# Altium PCB Minion_Rev2.PcbDoc (part 5 of 11)
Units mil, origin at the board's own origin, x right, y up, seen from the top; angles counter-clockwise.
Board outline 4724.41 x 6929.13 mil, 4 copper layers (L1, L2, L3, L4), stack 62.087 mil thick; 873 components, 147 nets, 5651 pads, 5666 vias.
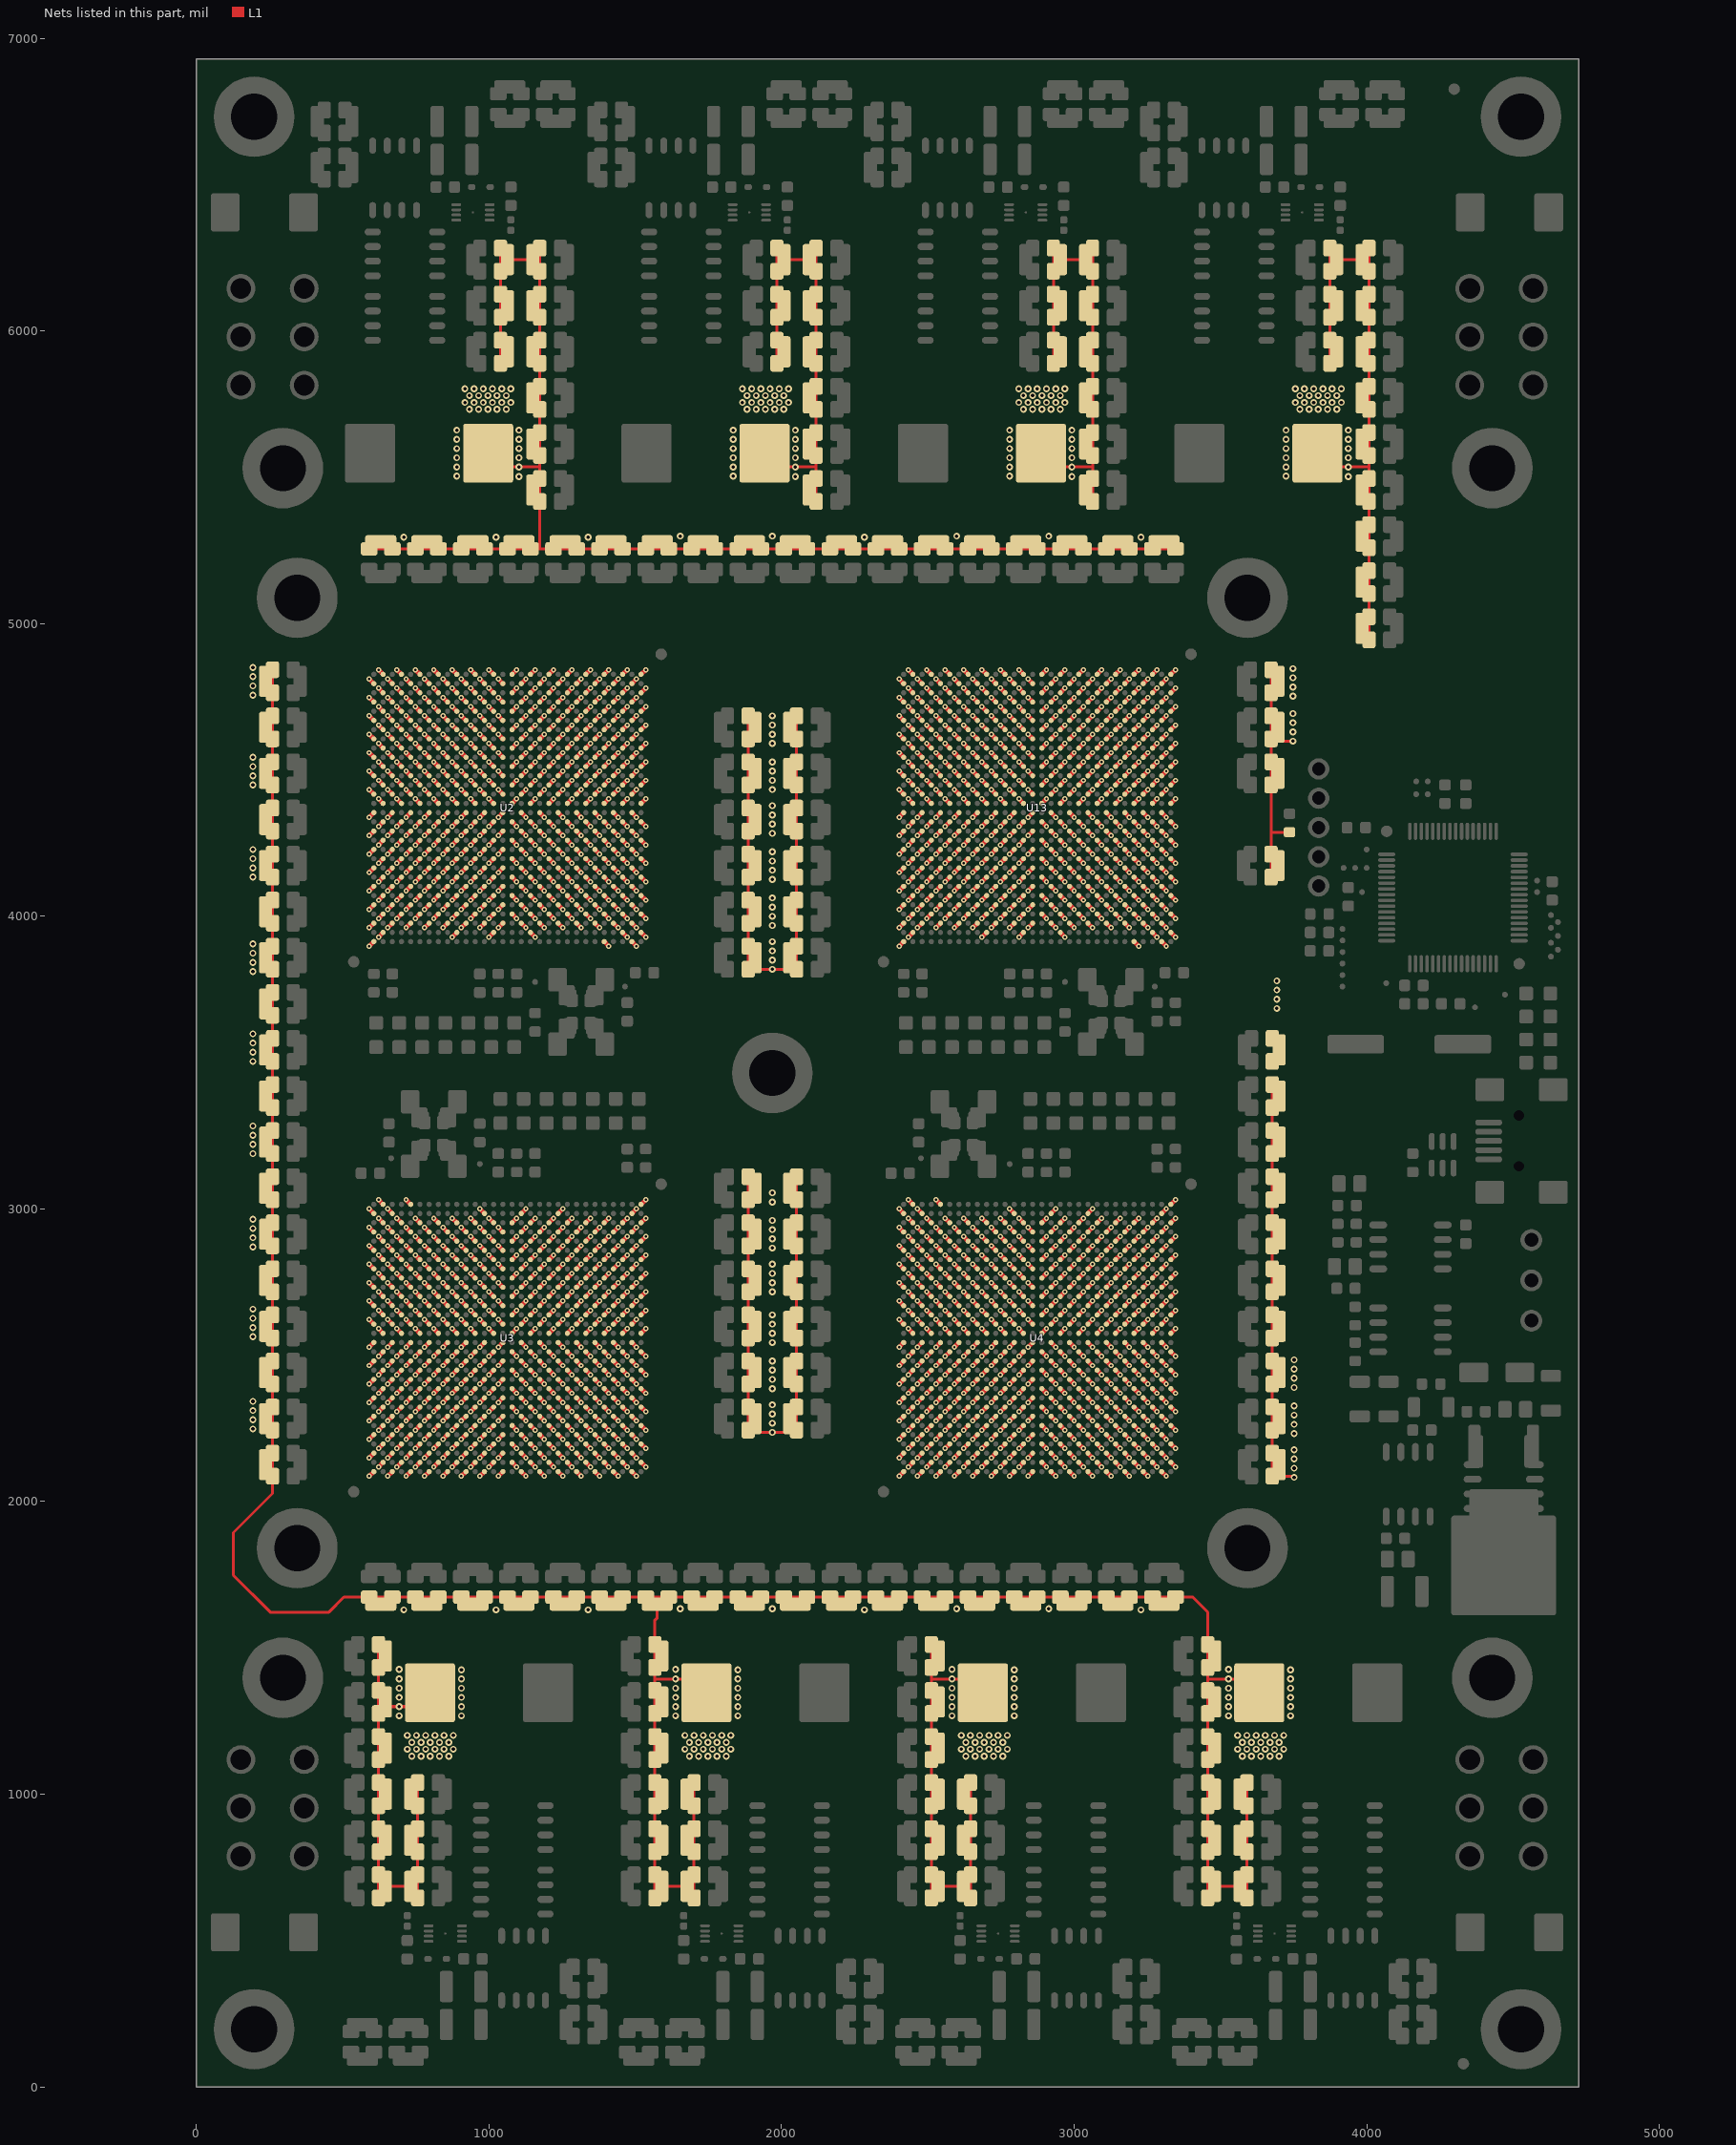
[diagram p7: the nets of this part, all layers, seen from the top]

## Via types
v1: diameter 17.72/17.72/17.72/17.72 (per signal layer), hole 7.87, L1 to L4, 3578 vias
v2: diameter 23.62/23.62/23.62/23.62 (per signal layer), hole 11.81, L1 to L4, 2088 vias

## Nets (pads, with @x,y where several pads share a name; then routed paths per layer and width w, separated by ;. In a path a pad name is that pad's centre, name@x,y a point inside that pad or via, vN(x,y) a via of type N, cw(c..) or ccw(c..) an arc to the next point about the centre after c; other vN are vias at no path point) (continued)
1V: (continued)
  L1 w15.75: v1(590.55,2086.61) U3.A30@606.3,2102.36 ; v1(590.55,2149.61) U3.C30@606.3,2165.35 ; v1(590.55,2212.6) U3.E30@606.3,2228.35 ; v1(590.55,2275.59) U3.G30@606.3,2291.34 ; v1(590.55,2338.58) U3.J30@606.3,2354.33 ; v1(590.55,2401.57) U3.L30@606.3,2417.32 ; v1(590.55,2464.57) U3.N30@606.3,2480.31 ; v1(590.55,2527.56) U3.R30@606.3,2543.31 ; v1(590.55,2622.05) U3.U30@606.3,2606.3 ; v1(590.55,2685.04) U3.W30@606.3,2669.29 ; v1(590.55,2748.03) U3.AA30@606.3,2732.28 ; v1(590.55,2811.02) U3.AC30@606.3,2795.28 ; v1(590.55,2874.02) U3.AE30@606.3,2858.27 ; v1(590.55,2937.01) U3.AG30@606.3,2921.26 ; v1(590.55,3000) U3.AJ30@606.3,2984.25 ; v1(590.55,3897.64) U2.AK1@606.3,3913.39 ; v1(590.55,3960.63) U2.AH1@606.3,3976.38 ; v1(590.55,4023.62) U2.AF1@606.3,4039.37 ; v1(590.55,4086.61) U2.AD1@606.3,4102.36 ; v1(590.55,4149.61) U2.AB1@606.3,4165.35 ; v1(590.55,4212.6) U2.Y1@606.3,4228.35 ; v1(590.55,4275.59) U2.V1@606.3,4291.34 ; v1(590.55,4338.58) U2.T1@606.3,4354.33 ; v1(590.55,4433.07) U2.P1@606.3,4417.32 ; v1(590.55,4496.06) U2.M1@606.3,4480.31 ; v1(590.55,4559.06) U2.K1@606.3,4543.31 ; v1(590.55,4622.05) U2.H1@606.3,4606.3 ; v1(590.55,4685.04) U2.F1@606.3,4669.29 ; v1(590.55,4748.03) U2.D1@606.3,4732.28 ; v1(590.55,4811.02) U2.B1@606.3,4795.28 ; v1(622.05,2118.11) U3.B29@637.8,2133.86 ; v1(622.05,2181.1) U3.D29@637.8,2196.85 ; v1(622.05,2244.09) U3.F29@637.8,2259.84 ; v1(622.05,2307.09) U3.H29@637.8,2322.83 ; v1(622.05,2370.08) U3.K29@637.8,2385.83 ; v1(622.05,2433.07) U3.M29@637.8,2448.82 ; v1(622.05,2496.06) U3.P29@637.8,2511.81 ; v1(622.05,2590.55) U3.T29@637.8,2574.8 ; v1(622.05,2653.54) U3.V29@637.8,2637.8 ; v1(622.05,2716.54) U3.Y29@637.8,2700.79 ; v1(622.05,2779.53) U3.AB29@637.8,2763.78 ; v1(622.05,2842.52) U3.AD29@637.8,2826.77 ; v1(622.05,2905.51) U3.AF29@637.8,2889.76 ; v1(622.05,2968.5) U3.AH29@637.8,2952.76 ; v1(622.05,3031.5) U3.AK29@637.8,3015.75 ; v1(622.05,3929.13) U2.AJ2@637.8,3944.88 ; v1(622.05,3992.13) U2.AG2@637.8,4007.87 ; v1(622.05,4055.12) U2.AE2@637.8,4070.87 ; v1(622.05,4118.11) U2.AC2@637.8,4133.86 ; v1(622.05,4181.1) U2.AA2@637.8,4196.85 ; v1(622.05,4244.09) U2.W2@637.8,4259.84 ; v1(622.05,4307.09) U2.U2@637.8,4322.83 ; v1(622.05,4401.57) U2.R2@637.8,4385.83 ; v1(622.05,4464.57) U2.N2@637.8,4448.82 ; v1(622.05,4527.56) U2.L2@637.8,4511.81 ; v1(622.05,4590.55) U2.J2@637.8,4574.8 ; v1(622.05,4653.54) U2.G2@637.8,4637.8 ; v1(622.05,4716.54) U2.E2@637.8,4700.79 ; v1(622.05,4779.53) U2.C2@637.8,4763.78 ; v1(622.05,4842.52) U2.A2@637.8,4826.77 ; v1(653.54,2086.61) U3.A28@669.29,2102.36 ; v1(653.54,2149.61) U3.C28@669.29,2165.35 ; v1(653.54,2212.6) U3.E28@669.29,2228.35 ; v1(653.54,2275.59) U3.G28@669.29,2291.34 ; v1(653.54,2338.58) U3.J28@669.29,2354.33 ; v1(653.54,2401.57) U3.L28@669.29,2417.32 ; v1(653.54,2464.57) U3.N28@669.29,2480.31 ; v1(653.54,2527.56) U3.R28@669.29,2543.31 ; v1(653.54,2622.05) U3.U28@669.29,2606.3 ; v1(653.54,2685.04) U3.W28@669.29,2669.29 ; v1(653.54,2748.03) U3.AA28@669.29,2732.28 ; v1(653.54,2811.02) U3.AC28@669.29,2795.28 ; v1(653.54,2874.02) U3.AE28@669.29,2858.27 ; v1(653.54,2937.01) U3.AG28@669.29,2921.26 ; v1(653.54,3000) U3.AJ28@669.29,2984.25 ; v1(653.54,3960.63) U2.AH3@669.29,3976.38 ; v1(653.54,4023.62) U2.AF3@669.29,4039.37 ; v1(653.54,4086.61) U2.AD3@669.29,4102.36 ; v1(653.54,4149.61) U2.AB3@669.29,4165.35 ; v1(653.54,4212.6) U2.Y3@669.29,4228.35 ; v1(653.54,4275.59) U2.V3@669.29,4291.34 ; v1(653.54,4338.58) U2.T3@669.29,4354.33 ; v1(653.54,4433.07) U2.P3@669.29,4417.32 ; v1(653.54,4496.06) U2.M3@669.29,4480.31 ; v1(653.54,4559.06) U2.K3@669.29,4543.31 ; v1(653.54,4622.05) U2.H3@669.29,4606.3 ; v1(653.54,4685.04) U2.F3@669.29,4669.29 ; v1(653.54,4748.03) U2.D3@669.29,4732.28 ; v1(653.54,4811.02) U2.B3@669.29,4795.28 ; v1(685.04,2118.11) U3.B27@700.79,2133.86 ; v1(685.04,2181.1) U3.D27@700.79,2196.85 ; v1(685.04,2244.09) U3.F27@700.79,2259.84 ; v1(685.04,2307.09) U3.H27@700.79,2322.83 ; v1(685.04,2370.08) U3.K27@700.79,2385.83 ; v1(685.04,2433.07) U3.M27@700.79,2448.82 ; v1(685.04,2496.06) U3.P27@700.79,2511.81 ; v1(685.04,2590.55) U3.T27@700.79,2574.8 ; v1(685.04,2653.54) U3.V27@700.79,2637.8 ; v1(685.04,2716.54) U3.Y27@700.79,2700.79 ; v1(685.04,2779.53) U3.AB27@700.79,2763.78 ; v1(685.04,2842.52) U3.AD27@700.79,2826.77 ; v1(685.04,2905.51) U3.AF27@700.79,2889.76 ; v1(685.04,2968.5) U3.AH27@700.79,2952.76 ; v1(685.04,3992.13) U2.AG4@700.79,4007.87 ; v1(685.04,4055.12) U2.AE4@700.79,4070.87 ; v1(685.04,4118.11) U2.AC4@700.79,4133.86 ; v1(685.04,4181.1) U2.AA4@700.79,4196.85 ; v1(685.04,4244.09) U2.W4@700.79,4259.84 ; v1(685.04,4307.09) U2.U4@700.79,4322.83 ; v1(685.04,4401.57) U2.R4@700.79,4385.83 ; v1(685.04,4464.57) U2.N4@700.79,4448.82 ; v1(685.04,4527.56) U2.L4@700.79,4511.81 ; v1(685.04,4590.55) U2.J4@700.79,4574.8 ; v1(685.04,4653.54) U2.G4@700.79,4637.8 ; v1(685.04,4716.54) U2.E4@700.79,4700.79 ; v1(685.04,4779.53) U2.C4@700.79,4763.78 ; v1(685.04,4842.52) U2.A4@700.79,4826.77 ; v1(716.54,2086.61) U3.A26@732.28,2102.36 ; v1(716.54,2149.61) U3.C26@732.28,2165.35 ; v1(716.54,2212.6) U3.E26@732.28,2228.35 ; v1(716.54,2275.59) U3.G26@732.28,2291.34 ; v1(716.54,2338.58) U3.J26@732.28,2354.33 ; v1(716.54,2401.57) U3.L26@732.28,2417.32 ; v1(716.54,2464.57) U3.N26@732.28,2480.31 ; v1(716.54,2527.56) U3.R26@732.28,2543.31 ; v1(716.54,2622.05) U3.U26@732.28,2606.3 ; v1(716.54,2685.04) U3.W26@732.28,2669.29 ; v1(716.54,2748.03) U3.AA26@732.28,2732.28 ; v1(716.54,2811.02) U3.AC26@732.28,2795.28 ; v1(716.54,2874.02) U3.AE26@732.28,2858.27 ; v1(716.54,2937.01) U3.AG26@732.28,2921.26 ; v1(716.54,3031.5) U3.AK26@732.28,3015.75 ; v1(716.54,3960.63) U2.AH5@732.28,3976.38 ; v1(716.54,4023.62) U2.AF5@732.28,4039.37 ; v1(716.54,4086.61) U2.AD5@732.28,4102.36 ; v1(716.54,4149.61) U2.AB5@732.28,4165.35 ; v1(716.54,4212.6) U2.Y5@732.28,4228.35 ; v1(716.54,4275.59) U2.V5@732.28,4291.34 ; v1(716.54,4338.58) U2.T5@732.28,4354.33 ; v1(716.54,4433.07) U2.P5@732.28,4417.32 ; v1(716.54,4496.06) U2.M5@732.28,4480.31 ; v1(716.54,4559.06) U2.K5@732.28,4543.31 ; v1(716.54,4622.05) U2.H5@732.28,4606.3 ; v1(716.54,4685.04) U2.F5@732.28,4669.29 ; v1(716.54,4748.03) U2.D5@732.28,4732.28 ; v1(716.54,4811.02) U2.B5@732.28,4795.28 ; v1(748.03,2118.11) U3.B25@763.78,2133.86 ; v1(748.03,2181.1) U3.D25@763.78,2196.85 ; v1(748.03,2244.09) U3.F25@763.78,2259.84 ; v1(748.03,2307.09) U3.H25@763.78,2322.83 ; v1(748.03,2370.08) U3.K25@763.78,2385.83 ; v1(748.03,2433.07) U3.M25@763.78,2448.82 ; v1(748.03,2496.06) U3.P25@763.78,2511.81 ; v1(748.03,2590.55) U3.T25@763.78,2574.8 ; v1(748.03,2653.54) U3.V25@763.78,2637.8 ; v1(748.03,2716.54) U3.Y25@763.78,2700.79 ; v1(748.03,2779.53) U3.AB25@763.78,2763.78 ; v1(748.03,2842.52) U3.AD25@763.78,2826.77 ; v1(748.03,2905.51) U3.AF25@763.78,2889.76 ; v1(748.03,2968.5) U3.AH25@763.78,2952.76 ; v1(748.03,3992.13) U2.AG6@763.78,4007.87 ; v1(748.03,4055.12) U2.AE6@763.78,4070.87 ; v1(748.03,4118.11) U2.AC6@763.78,4133.86 ; v1(748.03,4181.1) U2.AA6@763.78,4196.85 ; v1(748.03,4244.09) U2.W6@763.78,4259.84 ; v1(748.03,4307.09) U2.U6@763.78,4322.83 ; v1(748.03,4401.57) U2.R6@763.78,4385.83 ; v1(748.03,4464.57) U2.N6@763.78,4448.82 ; v1(748.03,4527.56) U2.L6@763.78,4511.81 ; v1(748.03,4590.55) U2.J6@763.78,4574.8 ; v1(748.03,4653.54) U2.G6@763.78,4637.8 ; v1(748.03,4716.54) U2.E6@763.78,4700.79 ; v1(748.03,4779.53) U2.C6@763.78,4763.78 ; v1(748.03,4842.52) U2.A6@763.78,4826.77 ; v1(779.53,2086.61) U3.A24@795.28,2102.36 ; v1(779.53,2149.61) U3.C24@795.28,2165.35 ; v1(779.53,2212.6) U3.E24@795.28,2228.35 ; v1(779.53,2275.59) U3.G24@795.28,2291.34 ; v1(779.53,2338.58) U3.J24@795.28,2354.33 ; v1(779.53,2401.57) U3.L24@795.28,2417.32 ; v1(779.53,2464.57) U3.N24@795.28,2480.31 ; v1(779.53,2527.56) U3.R24@795.28,2543.31 ; v1(779.53,2622.05) U3.U24@795.28,2606.3 ; v1(779.53,2685.04) U3.W24@795.28,2669.29 ; v1(779.53,2748.03) U3.AA24@795.28,2732.28 ; v1(779.53,2811.02) U3.AC24@795.28,2795.28 ; v1(779.53,2874.02) U3.AE24@795.28,2858.27 ; v1(779.53,2937.01) U3.AG24@795.28,2921.26 ; v1(779.53,3960.63) U2.AH7@795.28,3976.38 ; v1(779.53,4023.62) U2.AF7@795.28,4039.37 ; v1(779.53,4086.61) U2.AD7@795.28,4102.36 ; v1(779.53,4149.61) U2.AB7@795.28,4165.35 ; v1(779.53,4212.6) U2.Y7@795.28,4228.35 ; v1(779.53,4275.59) U2.V7@795.28,4291.34 ; v1(779.53,4338.58) U2.T7@795.28,4354.33 ; v1(779.53,4433.07) U2.P7@795.28,4417.32 ; v1(779.53,4496.06) U2.M7@795.28,4480.31 ; v1(779.53,4559.06) U2.K7@795.28,4543.31 ; v1(779.53,4622.05) U2.H7@795.28,4606.3 ; v1(779.53,4685.04) U2.F7@795.28,4669.29 ; v1(779.53,4748.03) U2.D7@795.28,4732.28 ; v1(779.53,4811.02) U2.B7@795.28,4795.28 ; v1(811.02,2118.11) U3.B23@826.77,2133.86 ; v1(811.02,2181.1) U3.D23@826.77,2196.85 ; v1(811.02,2244.09) U3.F23@826.77,2259.84 ; v1(811.02,2307.09) U3.H23@826.77,2322.83 ; v1(811.02,2370.08) U3.K23@826.77,2385.83 ; v1(811.02,2433.07) U3.M23@826.77,2448.82 ; v1(811.02,2496.06) U3.P23@826.77,2511.81 ; v1(811.02,2590.55) U3.T23@826.77,2574.8 ; v1(811.02,2653.54) U3.V23@826.77,2637.8 ; v1(811.02,2716.54) U3.Y23@826.77,2700.79 ; v1(811.02,2779.53) U3.AB23@826.77,2763.78 ; v1(811.02,2842.52) U3.AD23@826.77,2826.77 ; v1(811.02,2905.51) U3.AF23@826.77,2889.76 ; v1(811.02,2968.5) U3.AH23@826.77,2952.76 ; v1(811.02,3992.13) U2.AG8@826.77,4007.87 ; v1(811.02,4055.12) U2.AE8@826.77,4070.87 ; v1(811.02,4118.11) U2.AC8@826.77,4133.86 ; v1(811.02,4181.1) U2.AA8@826.77,4196.85 ; v1(811.02,4244.09) U2.W8@826.77,4259.84 ; v1(811.02,4307.09) U2.U8@826.77,4322.83 ; v1(811.02,4401.57) U2.R8@826.77,4385.83 ; v1(811.02,4464.57) U2.N8@826.77,4448.82 ; v1(811.02,4527.56) U2.L8@826.77,4511.81 ; v1(811.02,4590.55) U2.J8@826.77,4574.8 ; v1(811.02,4653.54) U2.G8@826.77,4637.8 ; v1(811.02,4716.54) U2.E8@826.77,4700.79 ; v1(811.02,4779.53) U2.C8@826.77,4763.78 ; v1(811.02,4842.52) U2.A8@826.77,4826.77 ; v1(842.52,2086.61) U3.A22@858.27,2102.36 ; v1(842.52,2149.61) U3.C22@858.27,2165.35 ; v1(842.52,2212.6) U3.E22@858.27,2228.35 ; v1(842.52,2275.59) U3.G22@858.27,2291.34 ; v1(842.52,2338.58) U3.J22@858.27,2354.33 ; v1(842.52,2401.57) U3.L22@858.27,2417.32 ; v1(842.52,2464.57) U3.N22@858.27,2480.31 ; v1(842.52,2527.56) U3.R22@858.27,2543.31 ; v1(842.52,2622.05) U3.U22@858.27,2606.3 ; v1(842.52,2685.04) U3.W22@858.27,2669.29 ; v1(842.52,2748.03) U3.AA22@858.27,2732.28 ; v1(842.52,2811.02) U3.AC22@858.27,2795.28 ; v1(842.52,2874.02) U3.AE22@858.27,2858.27 ; v1(842.52,2937.01) U3.AG22@858.27,2921.26 ; v1(842.52,3960.63) U2.AH9@858.27,3976.38 ; v1(842.52,4023.62) U2.AF9@858.27,4039.37 ; v1(842.52,4086.61) U2.AD9@858.27,4102.36 ; v1(842.52,4149.61) U2.AB9@858.27,4165.35 ; v1(842.52,4212.6) U2.Y9@858.27,4228.35 ; v1(842.52,4275.59) U2.V9@858.27,4291.34 ; v1(842.52,4338.58) U2.T9@858.27,4354.33 ; v1(842.52,4433.07) U2.P9@858.27,4417.32 ; v1(842.52,4496.06) U2.M9@858.27,4480.31 ; v1(842.52,4559.06) U2.K9@858.27,4543.31 ; v1(842.52,4622.05) U2.H9@858.27,4606.3 ; v1(842.52,4685.04) U2.F9@858.27,4669.29 ; v1(842.52,4748.03) U2.D9@858.27,4732.28 ; v1(842.52,4811.02) U2.B9@858.27,4795.28 ; v1(874.02,2118.11) U3.B21@889.76,2133.86 ; v1(874.02,2181.1) U3.D21@889.76,2196.85 ; v1(874.02,2244.09) U3.F21@889.76,2259.84 ; v1(874.02,2307.09) U3.H21@889.76,2322.83 ; v1(874.02,2370.08) U3.K21@889.76,2385.83 ; v1(874.02,2433.07) U3.M21@889.76,2448.82 ; v1(874.02,2496.06) U3.P21@889.76,2511.81 ; v1(874.02,2590.55) U3.T21@889.76,2574.8 ; v1(874.02,2653.54) U3.V21@889.76,2637.8 ; v1(874.02,2716.54) U3.Y21@889.76,2700.79 ; v1(874.02,2779.53) U3.AB21@889.76,2763.78 ; v1(874.02,2842.52) U3.AD21@889.76,2826.77 ; v1(874.02,2905.51) U3.AF21@889.76,2889.76 ; v1(874.02,2968.5) U3.AH21@889.76,2952.76 ; v1(874.02,3929.13) U2.AJ10@889.76,3944.88 ; v1(874.02,3992.13) U2.AG10@889.76,4007.87 ; v1(874.02,4055.12) U2.AE10@889.76,4070.87 ; v1(874.02,4118.11) U2.AC10@889.76,4133.86 ; v1(874.02,4181.1) U2.AA10@889.76,4196.85 ; v1(874.02,4244.09) U2.W10@889.76,4259.84 ; v1(874.02,4307.09) U2.U10@889.76,4322.83 ; v1(874.02,4401.57) U2.R10@889.76,4385.83 ; v1(874.02,4464.57) U2.N10@889.76,4448.82 ; v1(874.02,4527.56) U2.L10@889.76,4511.81 ; v1(874.02,4590.55) U2.J10@889.76,4574.8 ; v1(874.02,4653.54) U2.G10@889.76,4637.8 ; v1(874.02,4716.54) U2.E10@889.76,4700.79 ; v1(874.02,4779.53) U2.C10@889.76,4763.78 ; v1(874.02,4842.52) U2.A10@889.76,4826.77 ; v1(905.51,2086.61) U3.A20@921.26,2102.36 ; v1(905.51,2149.61) U3.C20@921.26,2165.35 ; v1(905.51,2212.6) U3.E20@921.26,2228.35 ; v1(905.51,2275.59) U3.G20@921.26,2291.34 ; v1(905.51,2338.58) U3.J20@921.26,2354.33 ; v1(905.51,2401.57) U3.L20@921.26,2417.32 ; v1(905.51,2464.57) U3.N20@921.26,2480.31 ; v1(905.51,2527.56) U3.R20@921.26,2543.31 ; v1(905.51,2622.05) U3.U20@921.26,2606.3 ; v1(905.51,2685.04) U3.W20@921.26,2669.29 ; v1(905.51,2748.03) U3.AA20@921.26,2732.28 ; v1(905.51,2811.02) U3.AC20@921.26,2795.28 ; v1(905.51,2874.02) U3.AE20@921.26,2858.27 ; v1(905.51,2937.01) U3.AG20@921.26,2921.26 ; v1(905.51,3960.63) U2.AH11@921.26,3976.38 ; v1(905.51,4023.62) U2.AF11@921.26,4039.37 ; v1(905.51,4086.61) U2.AD11@921.26,4102.36 ; v1(905.51,4149.61) U2.AB11@921.26,4165.35 ; v1(905.51,4212.6) U2.Y11@921.26,4228.35 ; v1(905.51,4275.59) U2.V11@921.26,4291.34 ; v1(905.51,4338.58) U2.T11@921.26,4354.33 ; v1(905.51,4433.07) U2.P11@921.26,4417.32 ; v1(905.51,4496.06) U2.M11@921.26,4480.31 ; v1(905.51,4559.06) U2.K11@921.26,4543.31 ; v1(905.51,4622.05) U2.H11@921.26,4606.3 ; v1(905.51,4685.04) U2.F11@921.26,4669.29 ; v1(905.51,4748.03) U2.D11@921.26,4732.28 ; v1(905.51,4811.02) U2.B11@921.26,4795.28 ; v1(937.01,2118.11) U3.B19@952.76,2133.86 ; v1(937.01,2181.1) U3.D19@952.76,2196.85 ; v1(937.01,2244.09) U3.F19@952.76,2259.84 ; v1(937.01,2307.09) U3.H19@952.76,2322.83 ; v1(937.01,2370.08) U3.K19@952.76,2385.83 ; v1(937.01,2433.07) U3.M19@952.76,2448.82 ; v1(937.01,2496.06) U3.P19@952.76,2511.81 ; v1(937.01,2590.55) U3.T19@952.76,2574.8 ; v1(937.01,2653.54) U3.V19@952.76,2637.8 ; v1(937.01,2716.54) U3.Y19@952.76,2700.79 ; v1(937.01,2779.53) U3.AB19@952.76,2763.78 ; v1(937.01,2842.52) U3.AD19@952.76,2826.77 ; v1(937.01,2905.51) U3.AF19@952.76,2889.76 ; v1(937.01,2968.5) U3.AH19@952.76,2952.76 ; v1(937.01,3992.13) U2.AG12@952.76,4007.87 ; v1(937.01,4055.12) U2.AE12@952.76,4070.87 ; v1(937.01,4118.11) U2.AC12@952.76,4133.86 ; v1(937.01,4181.1) U2.AA12@952.76,4196.85 ; v1(937.01,4244.09) U2.W12@952.76,4259.84 ; v1(937.01,4307.09) U2.U12@952.76,4322.83 ; v1(937.01,4401.57) U2.R12@952.76,4385.83 ; v1(937.01,4464.57) U2.N12@952.76,4448.82 ; v1(937.01,4527.56) U2.L12@952.76,4511.81 ; v1(937.01,4590.55) U2.J12@952.76,4574.8 ; v1(937.01,4653.54) U2.G12@952.76,4637.8 ; v1(937.01,4716.54) U2.E12@952.76,4700.79 ; v1(937.01,4779.53) U2.C12@952.76,4763.78 ; v1(937.01,4842.52) U2.A12@952.76,4826.77 ; v1(968.5,2086.61) U3.A18@984.25,2102.36 ; v1(968.5,2149.61) U3.C18@984.25,2165.35 ; v1(968.5,2212.6) U3.E18@984.25,2228.35 ; v1(968.5,2275.59) U3.G18@984.25,2291.34 ; v1(968.5,2338.58) U3.J18@984.25,2354.33 ; v1(968.5,2401.57) U3.L18@984.25,2417.32 ; v1(968.5,2464.57) U3.N18@984.25,2480.31 ; v1(968.5,2527.56) U3.R18@984.25,2543.31 ; v1(968.5,2622.05) U3.U18@984.25,2606.3 ; v1(968.5,2685.04) U3.W18@984.25,2669.29 ; v1(968.5,2748.03) U3.AA18@984.25,2732.28 ; v1(968.5,2811.02) U3.AC18@984.25,2795.28 ; v1(968.5,2874.02) U3.AE18@984.25,2858.27 ; v1(968.5,2937.01) U3.AG18@984.25,2921.26 ; v1(968.5,3000) U3.AJ18@984.25,2984.25 ; v1(968.5,3960.63) U2.AH13@984.25,3976.38 ; v1(968.5,4023.62) U2.AF13@984.25,4039.37 ; v1(968.5,4086.61) U2.AD13@984.25,4102.36 ; v1(968.5,4149.61) U2.AB13@984.25,4165.35 ; v1(968.5,4212.6) U2.Y13@984.25,4228.35 ; v1(968.5,4275.59) U2.V13@984.25,4291.34 ; v1(968.5,4338.58) U2.T13@984.25,4354.33 ; v1(968.5,4433.07) U2.P13@984.25,4417.32 ; v1(968.5,4496.06) U2.M13@984.25,4480.31 ; v1(968.5,4559.06) U2.K13@984.25,4543.31 ; v1(968.5,4622.05) U2.H13@984.25,4606.3 ; v1(968.5,4685.04) U2.F13@984.25,4669.29 ; v1(968.5,4748.03) U2.D13@984.25,4732.28 ; v1(968.5,4811.02) U2.B13@984.25,4795.28 ; v1(1000,2118.11) U3.B17@1015.75,2133.86 ; v1(1000,2181.1) U3.D17@1015.75,2196.85 ; v1(1000,2244.09) U3.F17@1015.75,2259.84 ; v1(1000,2307.09) U3.H17@1015.75,2322.83 ; v1(1000,2370.08) U3.K17@1015.75,2385.83 ; v1(1000,2433.07) U3.M17@1015.75,2448.82 ; v1(1000,2496.06) U3.P17@1015.75,2511.81 ; v1(1000,2590.55) U3.T17@1015.75,2574.8 ; v1(1000,2653.54) U3.V17@1015.75,2637.8 ; v1(1000,2716.54) U3.Y17@1015.75,2700.79 ; v1(1000,2779.53) U3.AB17@1015.75,2763.78 ; v1(1000,2842.52) U3.AD17@1015.75,2826.77 ; v1(1000,2905.51) U3.AF17@1015.75,2889.76 ; v1(1000,2968.5) U3.AH17@1015.75,2952.76 ; v1(1000,3929.13) U2.AJ14@1015.75,3944.88 ; v1(1000,3992.13) U2.AG14@1015.75,4007.87 ; v1(1000,4055.12) U2.AE14@1015.75,4070.87 ; v1(1000,4118.11) U2.AC14@1015.75,4133.86 ; v1(1000,4181.1) U2.AA14@1015.75,4196.85 ; v1(1000,4244.09) U2.W14@1015.75,4259.84 ; v1(1000,4307.09) U2.U14@1015.75,4322.83 ; v1(1000,4401.57) U2.R14@1015.75,4385.83 ; v1(1000,4464.57) U2.N14@1015.75,4448.82 ; v1(1000,4527.56) U2.L14@1015.75,4511.81 ; v1(1000,4590.55) U2.J14@1015.75,4574.8 ; v1(1000,4653.54) U2.G14@1015.75,4637.8 ; v1(1000,4716.54) U2.E14@1015.75,4700.79 ; v1(1000,4779.53) U2.C14@1015.75,4763.78 ; v1(1000,4842.52) U2.A14@1015.75,4826.77 ; v1(1031.5,2086.61) U3.A16@1047.24,2102.36 ; v1(1031.5,2149.61) U3.C16@1047.24,2165.35 ; v1(1031.5,2212.6) U3.E16@1047.24,2228.35 ; v1(1031.5,2275.59) U3.G16@1047.24,2291.34 ; v1(1031.5,2338.58) U3.J16@1047.24,2354.33 ; v1(1031.5,2401.57) U3.L16@1047.24,2417.32 ; v1(1031.5,2464.57) U3.N16@1047.24,2480.31 ; v1(1031.5,2527.56) U3.R16@1047.24,2543.31 ; v1(1031.5,2622.05) U3.U16@1047.24,2606.3 ; v1(1031.5,2685.04) U3.W16@1047.24,2669.29 ; v1(1031.5,2748.03) U3.AA16@1047.24,2732.28 ; v1(1031.5,2811.02) U3.AC16@1047.24,2795.28 ; v1(1031.5,2874.02) U3.AE16@1047.24,2858.27 ; v1(1031.5,2937.01) U3.AG16@1047.24,2921.26 ; v1(1031.5,3960.63) U2.AH15@1047.24,3976.38 ; v1(1031.5,4023.62) U2.AF15@1047.24,4039.37 ; v1(1031.5,4086.61) U2.AD15@1047.24,4102.36 ; v1(1031.5,4149.61) U2.AB15@1047.24,4165.35 ; v1(1031.5,4212.6) U2.Y15@1047.24,4228.35 ; v1(1031.5,4275.59) U2.V15@1047.24,4291.34 ; v1(1031.5,4338.58) U2.T15@1047.24,4354.33 ; v1(1031.5,4433.07) U2.P15@1047.24,4417.32 ; v1(1031.5,4496.06) U2.M15@1047.24,4480.31 ; v1(1031.5,4559.06) U2.K15@1047.24,4543.31 ; v1(1031.5,4622.05) U2.H15@1047.24,4606.3 ; v1(1031.5,4685.04) U2.F15@1047.24,4669.29 ; v1(1031.5,4748.03) U2.D15@1047.24,4732.28 ; v1(1031.5,4811.02) U2.B15@1047.24,4795.28 ; U3.B15@1078.74,2133.86 v1(1094.49,2118.11) ; U3.D15@1078.74,2196.85 v1(1094.49,2181.1) ; U3.F15@1078.74,2259.84 v1(1094.49,2244.09) ; U3.H15@1078.74,2322.83 v1(1094.49,2307.09) ; U3.K15@1078.74,2385.83 v1(1094.49,2370.08) ; U3.M15@1078.74,2448.82 v1(1094.49,2433.07) ; U3.P15@1078.74,2511.81 v1(1094.49,2496.06) ; U3.T15@1078.74,2574.8 v1(1094.49,2590.55) ; U3.V15@1078.74,2637.8 v1(1094.49,2653.54) ; U3.Y15@1078.74,2700.79 v1(1094.49,2716.54) ; U3.AB15@1078.74,2763.78 v1(1094.49,2779.53) ; U3.AD15@1078.74,2826.77 v1(1094.49,2842.52) ; U3.AF15@1078.74,2889.76 v1(1094.49,2905.51) ; U3.AH15@1078.74,2952.76 v1(1094.49,2968.5) ; U2.AG16@1078.74,4007.87 v1(1094.49,3992.13) ; U2.AE16@1078.74,4070.87 v1(1094.49,4055.12) ; U2.AC16@1078.74,4133.86 v1(1094.49,4118.11) ; U2.AA16@1078.74,4196.85 v1(1094.49,4181.1) ; U2.W16@1078.74,4259.84 v1(1094.49,4244.09) ; U2.U16@1078.74,4322.83 v1(1094.49,4307.09) ; U2.R16@1078.74,4385.83 v1(1094.49,4401.57) ; U2.N16@1078.74,4448.82 v1(1094.49,4464.57) ; U2.L16@1078.74,4511.81 v1(1094.49,4527.56) ; U2.J16@1078.74,4574.8 v1(1094.49,4590.55) ; U2.G16@1078.74,4637.8 v1(1094.49,4653.54) ; U2.E16@1078.74,4700.79 v1(1094.49,4716.54) ; U2.C16@1078.74,4763.78 v1(1094.49,4779.53) ; U2.A16@1078.74,4826.77 v1(1094.49,4842.52) ; U3.A14@1110.24,2102.36 v1(1125.98,2086.61) ; U3.C14@1110.24,2165.35 v1(1125.98,2149.61) ; U3.E14@1110.24,2228.35 v1(1125.98,2212.6) ; U3.G14@1110.24,2291.34 v1(1125.98,2275.59) ; U3.J14@1110.24,2354.33 v1(1125.98,2338.58) ; U3.L14@1110.24,2417.32 v1(1125.98,2401.57) ; U3.N14@1110.24,2480.31 v1(1125.98,2464.57) ; U3.R14@1110.24,2543.31 v1(1125.98,2527.56) ; U3.U14@1110.24,2606.3 v1(1125.98,2622.05) ; U3.W14@1110.24,2669.29 v1(1125.98,2685.04) ; U3.AA14@1110.24,2732.28 